# Altium PCB pycyby.PcbDoc (part 1 of 2) (continued)
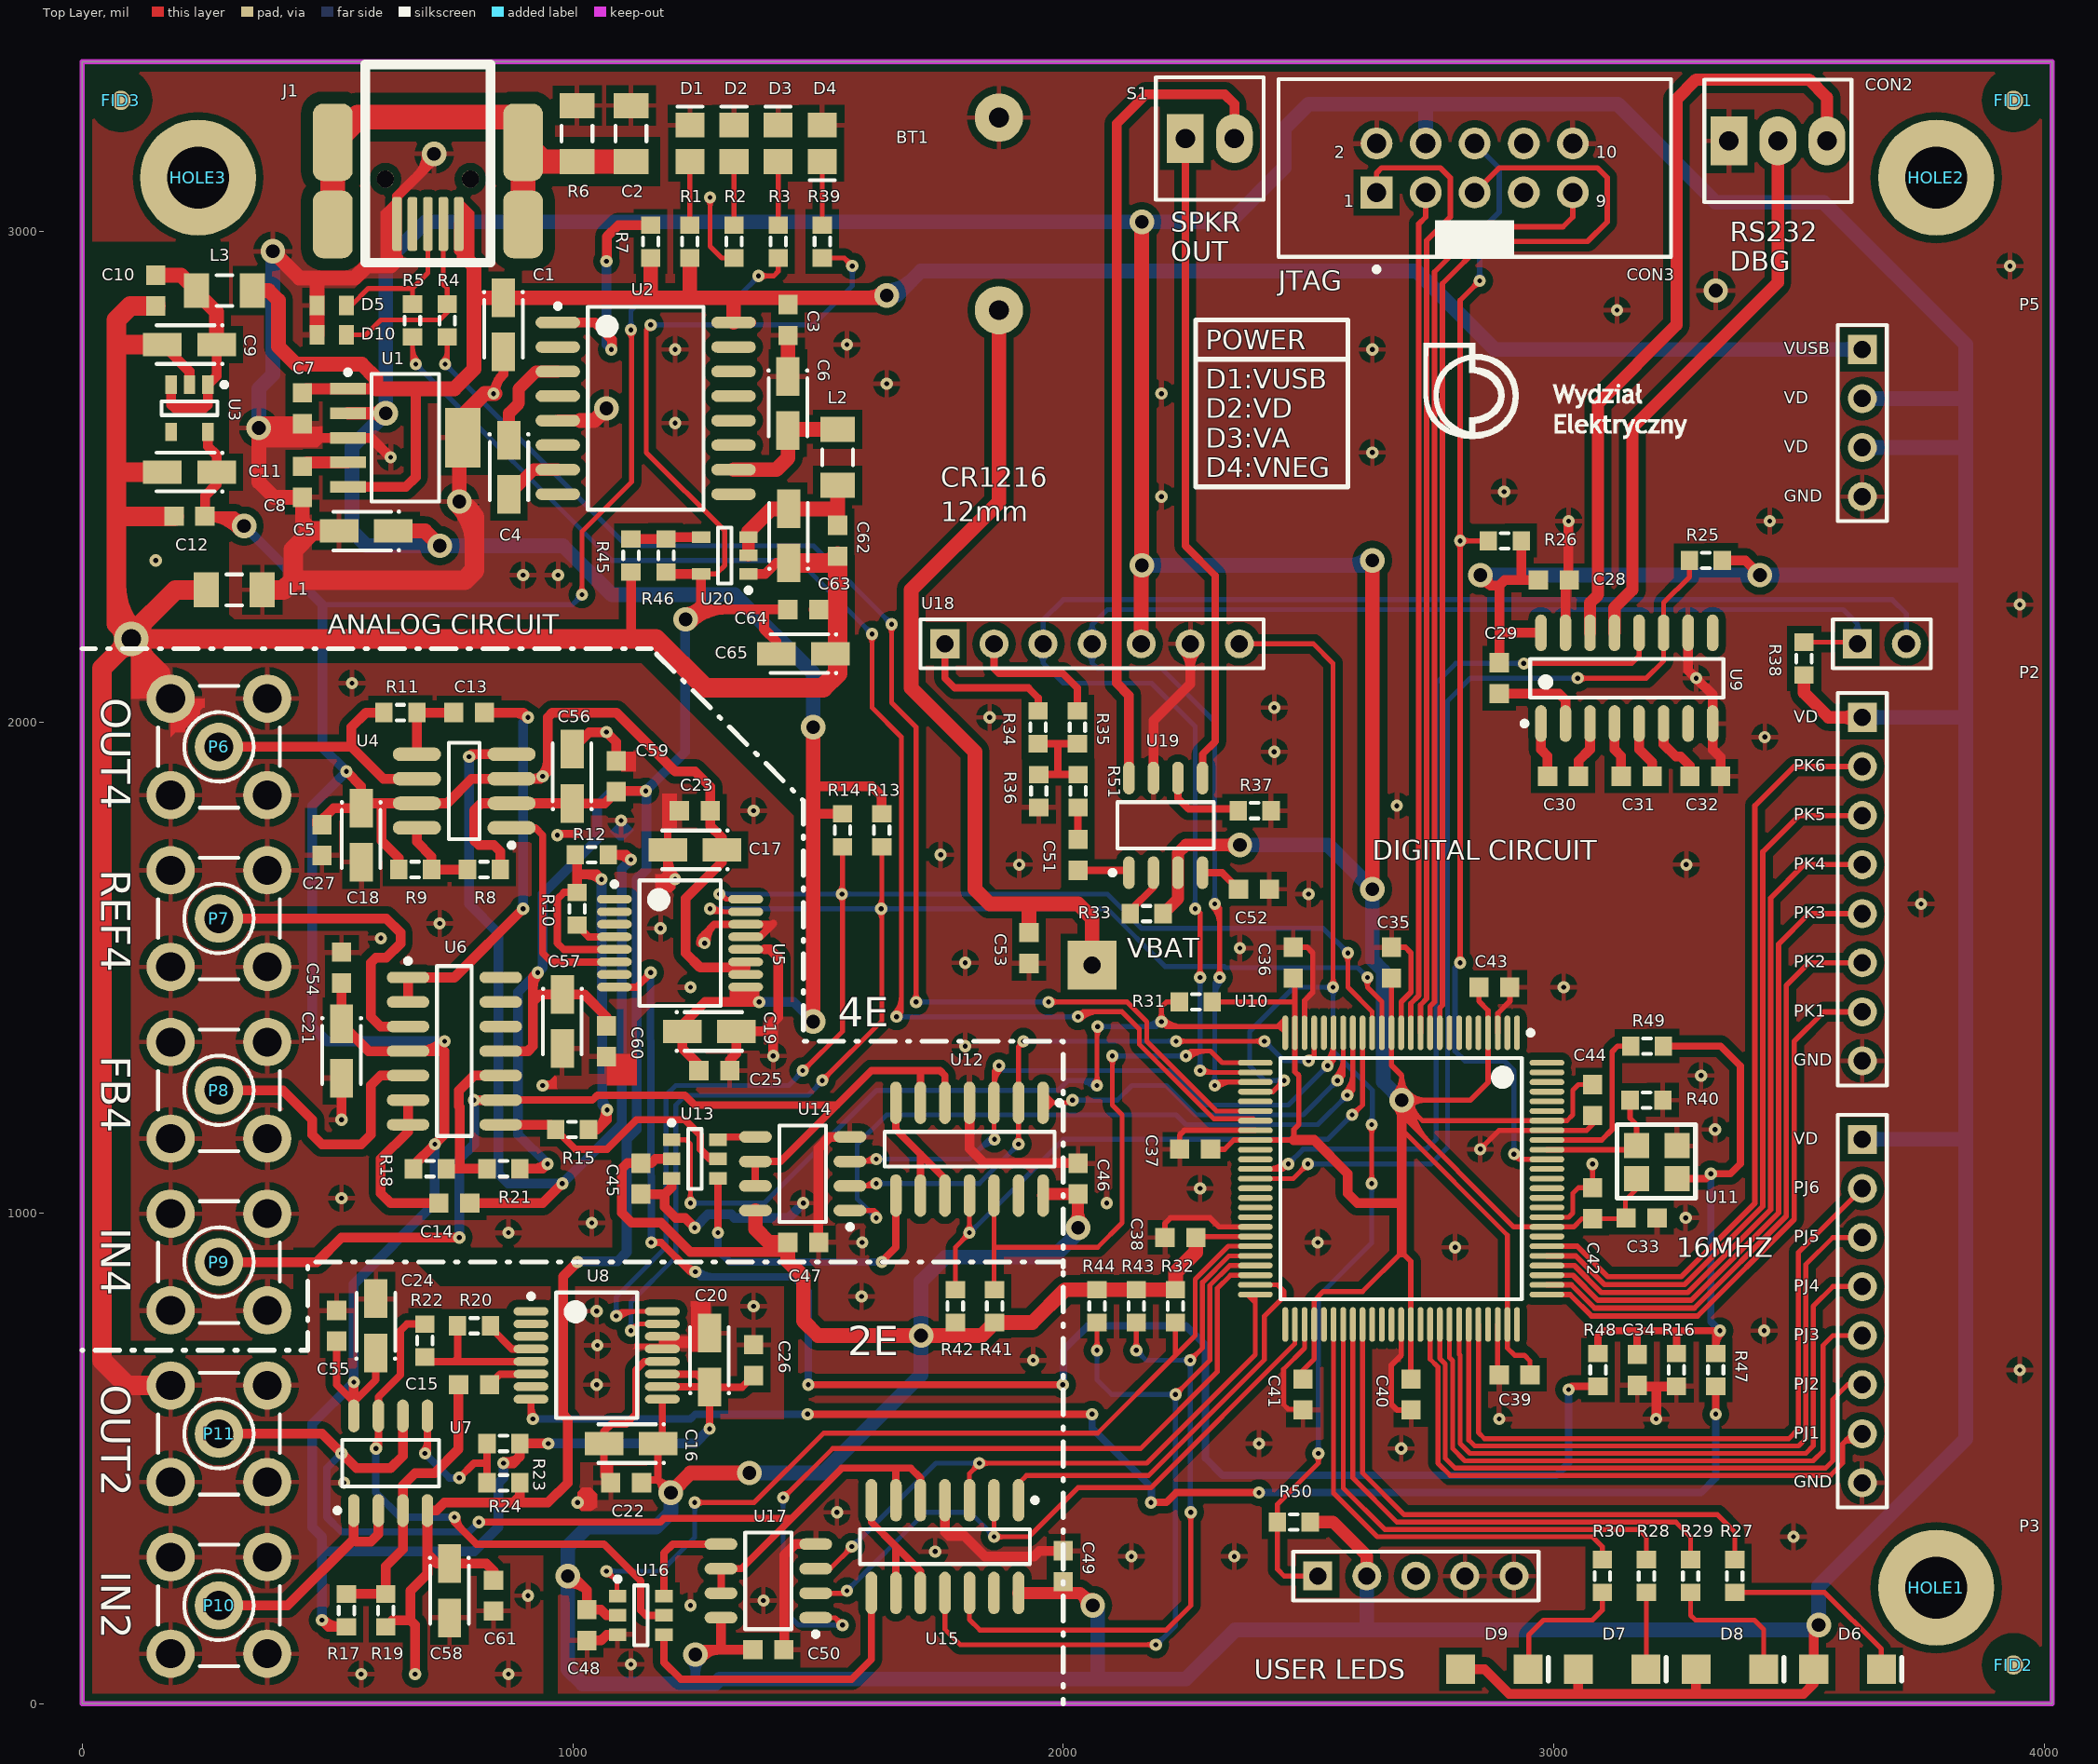
[diagram p0: Top Layer view]
## Footprints (in the part's own frame and the unit in brackets; to place one, negate y for a bottom-side part, rotate by r counter-clockwise, add the part's x,y. Pads: shape width x height; smd on the part's side, far side on the other; paste and mask are expansions set on the pad) (continued)
SMDA [mm] "Capacitor, SM Tantalum; Body 3.2 x 1.6 mm (LxW typ)"
  rect 2x1.2 smd: 1(-1.4,0) 2(1.4,0)
  silkscreen extent -1.71,-1.01 1.7,1.01, body extent -2.4,-0.9 2.4,0.9, height 1.8
SO-8_M [mm] "8-Pin Small Outline Integrated Circuit 1.27 mm Pitch, IPC Low Density"
  oval 2.5x0.7 smd: 1(-2.45,1.905) 2(-2.45,0.635) 3(-2.45,-0.635) 4(-2.45,-1.905) 5(2.45,-1.905) 6(2.45,-0.635) 7(2.45,0.635) 8(2.45,1.905)
  silkscreen extent -2.58,-2.5 0.8,2.93, body extent -3.18,-2.5 3.16,2.5, height 1.88
SOIC127P600-8AL [mm] "SOIC, 8-Leads, Body 4.9x3.9mm, Pitch 1.27mm, IPC High Density"
  oval 1.7x0.6 smd: 1(-2.45,1.905) 2(-2.45,0.635) 3(-2.45,-0.635) 4(-2.45,-1.905) 5(2.45,-1.905) 6(2.45,-0.635) 7(2.45,0.635) 8(2.45,1.905)
  silkscreen extent -2.57,-2.5 1.2,2.88, body extent -3.02,-2.44 2.98,2.46, height 1.75
SOIC-OE16_moje [mm] "SOIC, 16-Leads, Body 10.3x7.5mm, Pitch 1.27mm, IPC Medium Density"
  oval 2.3x0.6 smd: 1(-4.55,4.445) 2(-4.55,3.175) 3(-4.55,1.905) 4(-4.55,0.635) 5(-4.55,-0.635) 6(-4.55,-1.905) 7(-4.55,-3.175) 8(-4.55,-4.445) 9(4.55,-4.445) 10(4.55,-3.175) 11(4.55,-1.905) 12(4.55,-0.635) 13(4.55,0.635) 14(4.55,1.905) 15(4.55,3.175) 16(4.55,4.445)
  silkscreen extent -4.67,-5.25 3,5.42, body extent -5.15,-5.1 5.15,5.1, height 3.5
SOT95P280X100-5N [mm] "SOT23, 5-Leads, Body 2,90x2,80mm, Pitch 0,95mm, IPC Medium Density"
  rect 0.95x0.6 smd: 1(-1.225,0.95) 2(-1.225,0) 3(-1.225,-0.95) 4(1.225,-0.95) 5(1.225,0.95)
  silkscreen extent -1.35,-1.45 0.35,1.93, body extent -1.4,-1.45 1.4,1.45, height 1.45
SOT100P275-6L [mm] "SOT23, 6-Leads, Body 3x1.5mm, Pitch 1mm, Lead Span 2.7mm, IPC High Density"
  rect 0.9x0.65 smd: 1(-1.2,1) 2(-1.2,0) 3(-1.2,-1) 4(1.2,-1) 5(1.2,0) 6(1.2,1)
  silkscreen extent -1.32,-1.55 0.35,2, body extent -1.4,-1.45 1.4,1.45, height 1.45
SURGX-0603 [mil] "Suppressor diode"
  rect 30x40 smd: 1(-30,0) 2(30,0)
  body extent -31,-16 32,16, height 35
TI-D16_L_moje [mm] "SOIC, 16-Leads, Body 9.9x3.9mm, Pitch 1.27mm, IPC High Density"
  oval 1.9x0.6 smd: 1(-2.35,4.445) 2(-2.35,3.175) 3(-2.35,1.905) 4(-2.35,0.635) 5(-2.35,-0.635) 6(-2.35,-1.905) 7(-2.35,-3.175) 8(-2.35,-4.445) 9(2.35,-4.445) 10(2.35,-3.175) 11(2.35,-1.905) 12(2.35,-0.635) 13(2.35,0.635) 14(2.35,1.905) 15(2.35,3.175) 16(2.35,4.445)
  silkscreen extent -2.47,-5 1,5.42, body extent -3,-4.95 3,4.95, height 1.4
TI-DCQ6_L [mm] "SOT223, 6-Leads, Body 6.5x3.5mm, Pitch 1.27mm, IPC High Density"
  rect 1.85x0.6 smd: 1(-2.975,2.54) 2(-2.975,1.27) 3(-2.975,0) 4(-2.975,-1.27) 5(-2.975,-2.54)
  rect 1.85x3.1 smd: 6(2.975,0)
  silkscreen extent -3.1,-3.3 1.75,3.51, body extent -3.63,-3.27 3.63,3.28, height 1.8

## Part data
BT1: library part CMP-0438-00001-1, "Lithium Battery Holder for CR2032 3V Cell"
C1: library part "10uF 10V-SMDA", "Polarized Capacitor (Surface Mount)"
C2 C3 C7 C8 C10 C12 C13 C14 C15 C22 C23 C25 C26 C27 C28 C29 C30 C31 C32 C33 C34 C35 C36 C37 C38 C39 C40 C41 C42 C43 C44 C45 C46 C47 C48 C49 C50 C51 C52 C53 C54 C55 C59 C60 C61 C62 C64: library part Capacitor, "Capacitor"
C4 C5 C6 C9 C11 C16 C17 C18 C19 C20 C21 C24 C56 C57 C58 C63 C65: library part "100uF 6.3V-SMDB", "Polarized Capacitor (Surface Mount)"
CON2: "Pith 2.54mm, 3-pin"
CON3: "Header, 5-Pin, Dual row"
D1 D2 D3 D4: library part "Led Green", "Typical GREEN LED"
D5 D10: "ESD Suppressor"
FID1 FID2 FID3: library part "FID ROUND", "round fiducial"
HOLE1 HOLE2 HOLE3: library part "HOLE M3"
J1: library part CMP-0411-00002-1, "USB, MINI, SMD, RA KME04-USBMU03A01"
L1 L2 L3: library part Inductor, "Inductor"
P2 P3: "Header, 8-Pin"
P5: "Header, 4-Pin"
P6 P7 P8 P9 P10 P11: "SMB Straight Connector"
R1 R2 R3 R4 R5 R6 R7 R8 R9 R10 R11 R12 R13 R14 R15 R16 R17 R18 R19 R20 R21 R22 R23 R24 R25 R26 R27 R28 R29 R30 R31 R32 R33 R34 R35 R36 R37 R38 R39 R40 R41 R42 R43 R44 R45 R46 R47 R48 R49 R50 R51: library part Resistor, "Resistor"
U1: library part CMP-0395-00461-1, "Single Output Fast Transient Response LDO, 1 A, Fixed 3.3 V Output, 2.1 to 15 V Input, 6-pin SOT-223 (DCQ), -40 to 85 degC, Green (RoHS & no Sb/Br)"
U2: library part CMP-0132-00038-1, "80mA Charge Pump DC-to-DC Converter, 12kHz, 24kHz, 16-Pin SOIC 300mil, Commercial Temperature"
U5 U8: library part CMP-0293-00046-1, "1 MSPS, 12-Bit Impedance Converter, Network Analyzer, Serial, RS-16, 77 Tube, Pb-Free"
U6: library part CMP-0384-00479-2, "Quad Channel Wide Bandwidth Operational Amplifier, 10 MHz BW, 5 V/us SR, Industrial, 14-pin SOIC (R-14), Tube"
U7: library part CMP-0384-01321-1, "Double Channel Wide Bandwidth Operational Amplifier, 10 MHz BW, 5 V/us SR, Industrial, 8-pin SOIC (R-8), Tube"
U9: "3.0V TO 5.5V, Low-Power, up to 1Mbps, True RS-232 Transceiver Using Four 0.1µF External Capacitor"
U10: library part CMP-0094-00033-2, "8/16-bit AVR XMEGA A1 Microcontroller, 1.6-3.6V, 32MHz, 128KB + 8KB Flash, 2KB EEPROM, 8KB SRAM, 100-pin TQFP, Industrial Grade (-40°C to 85°C), Pb-Free"
U12 U15: library part CMP-0188-00459-2, "Single/Dual Digital Potentiometer with SPI Interface, 14-Pin SOIC 150mil, Industrial Temperature, Tape and Reel"
U14 U17: library part CMP-0188-00466-2, "Single/Dual Digital Potentiometer with SPI Interface, 8-Pin SOIC 150mil, Industrial Temperature, Tape and Reel"
U20: library part CMP-0394-00389-1, "Single Output LDO, 200 mA, Adjustable -10 to -1.2 V Output, -10 to -2.7 V Input, 5-pin SOT-23 (DBV), -40 to 125 degC, Green (RoHS & no Sb/Br)"

## Via types
v1: diameter 25, hole 10, Top Layer to Bottom Layer, 215 vias
v2: diameter 50, hole 28, Top Layer to Bottom Layer, 29 vias
v3: diameter 70, hole 40, Top Layer to Bottom Layer, 1 vias

## Nets (pads, with @x,y where several pads share a name; then routed paths per layer and width w, separated by ;. In a path a pad name is that pad's centre, name@x,y a point inside that pad or via, vN(x,y) a via of type N, cw(c..) or ccw(c..) an arc to the next point about the centre after c; other vN are vias at no path point)
#RESET: CON3.6 R26.1 U10.90 | length 2551.8
  Top Layer w11: v1@2803.79,1514.95 ccw(c2791.84,1526.9) 2808.74,1526.9 ccw(c2825.64,1526.9) v1@2813.69,1514.95 ; v1@2803.79,2365.05 cw(c2791.84,2353.1) 2808.74,2353.1 cw(c2825.64,2353.1) 2813.69,2365.05 cw(c2825.64,2353.1) 2825.64,2370 cw(c2825.64,2386.9) 2813.69,2374.95 cw(c2825.64,2386.9) 2808.74,2386.9 cw(c2791.84,2386.9) v1@2803.79,2374.95 ; v1(2808.74,1510) 2808.74,2360 2808.74,2860 v1(2848.74,2900) ; v1(2808.74,2370) R26.1@2866.54,2370 ; v1@2841.74,2900 cw(c2824.84,2900) 2836.79,2888.05 cw(c2848.74,2876.1) v1@2848.74,2893 ; v1(2918.74,1120) 2929.37,1109.37 ; v1@2919.34,1113.03 cw(c2920.43,1100.43) 2929.37,1109.37 ; v1@2925.71,1119.4 ccw(c2938.31,1118.31) 2929.37,1109.37 ; U10.90@2985.98,1109.37 2929.37,1109.37
  Bottom Layer w11: v1(2808.74,1510) 2798.74,1500 2798.74,1330 2818.74,1310 2898.74,1310 2918.74,1290 v1(2918.74,1120) ; CON3.6@2838.58,3179.92 2888.74,3129.76 2888.74,3040 2848.74,3000 v1(2848.74,2900) ; v1@2843.79,2904.95 ccw(c2831.84,2916.9) 2848.74,2916.9 ccw(c2865.64,2916.9) v1@2853.69,2904.95 ; v1@2913.79,1124.95 ccw(c2901.84,1136.9) 2918.74,1136.9 ccw(c2935.64,1136.9) v1@2923.69,1124.95
#RST0: R44.1 U10.47 U15.11 | length 1949.1
  Top Layer w10: U15.11@1758.74,225.51 1758.74,151.26 1790,120 v1(2188.74,120) ; v1(2068.74,720) R44.1@2068.74,776.54 ; v1@2183.44,114.7 ccw(c2170.63,101.89) 2170.63,120 ccw(c2170.63,138.11) v1@2183.44,125.3 ; v1(2228.74,630) 2298.74,700 2298.74,852.43 2339.15,892.83 U10.47@2391.5,892.83 ; v1@2228.74,637.5 ccw(c2228.74,655.61) 2241.54,642.8 ccw(c2254.35,630) v1@2236.24,630 ; 2068.74,738.11 ccw(c2086.85,738.11) 2074.04,725.3 cw(c2086.85,738.11) 2068.74,738.11 ; 2068.74,738.11 cw(c2050.63,738.11) 2063.44,725.3 ccw(c2050.63,738.11) 2068.74,738.11
  Bottom Layer w10: v1(2068.74,720) 2068.74,660 2098.74,630 v1(2228.74,630) 2228.74,158.74 v1@2190,120 ; v1@2188.74,127.5 ccw(c2188.74,148.65) 2203.69,133.69 ; v1@2196.24,120 cw(c2211.31,120) 2200.65,130.65 ; v1@2223.44,635.3 cw(c2210.63,648.11) 2210.63,630 cw(c2210.63,611.89) 2223.44,624.7 cw(c2210.63,611.89) 2228.74,611.89 cw(c2246.85,611.89) v1@2234.04,624.7 ; 2068.74,701.89 ccw(c2050.63,701.89) 2063.44,714.7 cw(c2050.63,701.89) 2068.74,701.89 ; 2068.74,701.89 cw(c2086.85,701.89) 2074.04,714.7 ccw(c2086.85,701.89) 2068.74,701.89
#RST1: R42.1 U10.17 U12.11 | length 1399.8
  Top Layer w10: R42.1@1780,843.46 1780,930 1808.74,958.74 U12.11@1808.74,1035.51 ; 1795.05,945.05 ccw(c1780.09,960) v1@1801.24,960 ; 1798.09,948.09 cw(c1808.74,937.43) v1@1808.74,952.5 ; v1@1803.44,965.3 ccw(c1790.63,978.11) 1808.74,978.11 ccw(c1826.85,978.11) v1@1814.04,965.3 ; v1@2588.74,1207.5 ccw(c2588.74,1228.65) 2603.69,1213.69 ; v1@2590,1200 2610,1220 U10.17@2610,1367.24 ; v1@2596.24,1200 cw(c2611.31,1200) 2600.65,1210.65
  Bottom Layer w10: v1@1808.74,967.5 ccw(c1808.74,988.65) 1823.69,973.69 ; v1@1810,960 2000,1150 2538.74,1150 v1(2588.74,1200) ; v1@1816.24,960 cw(c1831.31,960) 1820.65,970.65 ; v1@2581.24,1200 cw(c2563.13,1200) 2575.94,1187.2 cw(c2588.74,1174.39) v1@2588.74,1192.5
  other v1: 1808.74,960
#SHDN0: R43.1 U10.46 U15.12 | length 1708
  Top Layer w10: U15.12@1808.74,225.51 1808.74,171.26 1830,150 2210,150 2260,200 v1(2260,390) ; v1@2143.44,725.3 ccw(c2130.63,738.11) 2148.74,738.11 ccw(c2166.85,738.11) v1@2154.04,725.3 ; v1(2148.74,720) R43.1@2148.74,776.54 ; v1@2254.7,384.7 cw(c2241.89,371.89) 2260,371.89 cw(c2278.11,371.89) v1@2265.3,384.7 ; v1(2258.74,700) 2283.74,725 2283.74,858.64 2337.62,912.52 U10.46@2391.5,912.52 ; v1@2258.74,707.5 ccw(c2258.74,725.61) 2271.54,712.8 ccw(c2284.35,700) v1@2266.24,700
  Bottom Layer w10: v1@2148.74,712.5 cw(c2148.74,694.39) 2161.54,707.2 cw(c2174.35,720) v1@2156.24,720 ; v1(2148.74,720) 2168.74,700 v1(2258.74,700) v1@2258.74,390 ; v1@2253.44,705.3 cw(c2240.63,718.11) 2240.63,700 cw(c2240.63,681.89) 2253.44,694.7 cw(c2240.63,681.89) 2258.74,681.89 cw(c2276.85,681.89) v1@2264.04,694.7 ; v1@2254.7,395.3 ccw(c2244.93,405.07) 2258.74,405.07 ; 2258.74,411.15 ccw(c2281.15,411.15) v1@2265.3,395.3
#SHDN1: R41.1 U10.26 U12.12 | length 1295.4
  Top Layer w10: U12.12@1858.74,1035.51 1858.74,930 ; R41.1@1860,843.46 1858.74,844.72 1858.74,930 ; v1@2094.7,1314.7 cw(c2081.89,1301.89) 2100,1301.89 cw(c2118.11,1301.89) v1@2105.3,1314.7 ; v1(2100,1320) 2100,1220 2120,1200 2120,980 2070,930 1858.74,930 ; v1@2248.23,1321.77 cw(c2268.11,1301.89) 2268.11,1330 ; v1(2250,1320) 2260,1330 ; v1@2251.42,1327.37 ccw(c2253.22,1336.78) 2260,1330 ; v1@2255.3,1314.7 cw(c2292.25,1277.75) 2292.25,1330 ; v1@2257.37,1321.42 cw(c2266.77,1323.22) 2260,1330 ; U10.26@2391.5,1306.22 2323.78,1306.22 2300,1330 2260,1330
  Bottom Layer w10: v1(2100,1320) v1(2250,1320) ; v1@2105.3,1314.7 cw(c2118.11,1301.89) 2118.11,1320 cw(c2118.11,1338.11) v1@2105.3,1325.3 ; v1@2244.7,1314.7 ccw(c2231.89,1301.89) 2231.89,1320 ccw(c2231.89,1338.11) v1@2244.7,1325.3
#SS00: U10.49 U15.1 | length 859.5
  Top Layer w10: U15.1@1908.74,414.49 1908.74,448.74 1925,465 2173.74,465 2410,701.26 2410,790 2450,830 2450,840 2436.54,853.46 U10.49@2391.5,853.46
#SS01: U10.19 U12.1 | length 923
  Top Layer w10: U12.1@1958.74,1224.49 2014.49,1224.49 v1@2020,1230 ; v1@2553.44,1275.3 ccw(c2511.93,1316.81) 2570.63,1316.81 ; v1@2560,1270 2570,1280 ; v1@2560.51,1268.23 ccw(c2536.07,1292.67) 2570.63,1292.67 ; v1@2560.47,1277.3 ccw(c2562.81,1287.18) 2570,1280 ; v1@2566.23,1270.32 cw(c2579.12,1270.88) 2570,1280 ; U10.19@2570.63,1367.24 2570.63,1280 2570,1280
  Bottom Layer w10: v1(2018.74,1230) 2110,1230 2140,1260 2210,1260 2270,1200 2488.74,1200 v1(2558.74,1270) ; v1@2024.04,1224.7 cw(c2036.85,1211.89) 2036.85,1230 cw(c2036.85,1248.11) v1@2024.04,1235.3 ; v1@2551.24,1270 cw(c2533.13,1270) 2545.94,1257.2 cw(c2558.74,1244.39) v1@2558.74,1262.5
#SS10: U10.48 U17.1 | length 1786.5
  Top Layer w10: v1@1428.74,427.5 ccw(c1428.74,448.65) 1443.69,433.69 ; v1@1430,420 1530,520 2157.53,520 2313.74,676.21 2313.74,846.21 2340.68,873.15 U10.48@2391.5,873.15 ; v1@1436.24,420 cw(c1451.31,420) 1440.65,430.65 ; U17.1@1495.2,175 1535,175 v1(1550,160) ; v1@1542.5,160 ccw(c1524.39,160) 1537.2,172.8 ccw(c1550,185.61) v1@1550,167.5
  Bottom Layer w10: v1@1423.44,414.7 cw(c1410.63,401.89) 1428.74,401.89 cw(c1446.85,401.89) v1@1434.04,414.7 ; v1(1428.74,420) 1428.74,191.26 1460,160 v1(1550,160) ; v1@1544.7,154.7 ccw(c1531.89,141.89) 1531.89,160 ccw(c1531.89,178.11) v1@1544.7,165.3
#SS11: U10.18 U14.1 | length 1571.7
  Top Layer w10: U14.1@1565.2,1005 1615,1005 1620,1000 v1@1620,990 ; v1@2573.44,1245.3 ccw(c2532.69,1286.05) 2590.31,1286.05 ; v1@2580,1240 2590.31,1250.32 ; v1@2580.29,1247.34 ccw(c2582.56,1258.07) 2590.31,1250.31 ; v1@2580.51,1238.23 ccw(c2556.83,1261.91) 2590.31,1261.91 ; v1@2586.24,1240.16 cw(c2600.16,1240.47) 2590.31,1250.31 ; U10.18@2590.31,1367.24 2590.31,1250.32
  Bottom Layer w10: v1@1611.24,990 ccw(c1593.13,990) 1605.94,1002.8 ccw(c1618.74,1015.61) v1@1618.74,997.5 ; v1(1618.74,990) 1580,1028.74 1580,1140 1640,1200 2230,1200 2250,1180 2518.74,1180 v1(2578.74,1240) ; v1@2571.24,1240 cw(c2553.13,1240) 2565.94,1227.2 cw(c2578.74,1214.39) v1@2578.74,1232.5
AGND: C9.2 C10.1 C11.2 C12.1 C17.2 C18.2 C20.2 C21.2 C23.1 C24.2 C26.1 C27.1 C54.1 C55.1 C56.2 C57.2 C58.2 C59.1 C60.1 C61.1 C62.2 C63.1 C64.2 C65.1 L1.2 P6.2 P7.2 P8.2 P9.2 P10.2 P11.2 R45.1 U3.2 U5.13 U5.14 U8.13 U8.14 U20.1 | length 6421.8
  Top Layer w15: U8.13@1182.6,722.8 U8.14@1182.6,748.39 ; C17.2@1193.62,1740 1193.62,1796.38 C23.1@1217.24,1820 ; v1@1258.75,1549.48 cw(c1278.57,1550.51) 1264.54,1564.54 ; v1(1268.74,1550) 1268.74,1568.74 1288.39,1588.39 ; v1@1273.73,1550.26 cw(c1323.92,1552.85) 1288.38,1588.38 ; U5.13@1352.6,1562.8 1381.54,1562.8 1407.13,1588.39 ; 1408.74,1590 1407.13,1588.39 ; 1288.39,1588.39 U5.14@1352.6,1588.39 1407.13,1588.39
  Top Layer w20: C9.2@163.62,2770 218.74,2714.88 U3.2@218.74,2688.23 ; v1(528.74,1190) C21.2@528.74,1274.88 ; C56.2@998.74,1945.12 1033.62,1980 v1(1068.74,1980) 1088.74,1960 C59.1@1088.74,1921.5 ; R45.1@1118.74,2306.54 1118.74,2172.52 1120,2171.26 ; C17.2@1193.62,1722.53 ccw(c1251.27,1722.53) v1@1210.51,1681.77 ; C17.2@1193.62,1740 1193.62,1695.12 v1(1208.74,1680) ; U20.1@1358.23,2302.6 1392.6,2302.6 1414.88,2324.88 C63.1@1440,2324.88
  Top Layer w40: 70,2278.64 ccw(c208.64,2278.64) 110.61,2180.61 ccw(c136.21,2206.21) 136.21,2170 ccw(c136.21,2133.79) v3@110.61,2159.39 ; v3@100,2155 ccw(c100,2118.79) 74.39,2144.39 ccw(c48.79,2170) 85,2170 ccw(c48.79,2170) 74.39,2195.61 ccw(c100,2221.21) v3@100,2185 ; 132.68,2127.32 cw(c175.36,2170) 115,2170 cw(c175.36,2170) 132.68,2212.68 ; C10.1@150,2848.5 98.5,2848.5 70,2820 70,2770 ; C11.2@163.62,2510 70,2510 ; C9.2@163.62,2770 70,2770 ; P11.2@180.32,648.43 91.57,648.43 40,700 40,2110 v3(100,2170) ; P6.2@180.32,2048.43 160,2068.74 160,2100 100,2160 v3(100,2170) ; C12.1@187.24,2420 70,2420 ; L1.2@252.91,2270 190,2270 100,2180 v3(100,2170) ; C63.1@1440,2324.88 1526.38,2324.88 C62.2@1540,2338.5 1540,2230 ; C64.2@1501.5,2230 1540,2230 ; C65.1@1525.12,2140 C65.1@1540,2140 ; 70,2420 70,2510 ; 70,2420 70,2200 v3(100,2170) ; 70,2510 70,2770 ; v3(100,2170) 1170,2170 1270,2070 1510,2070 1540,2100 C65.1@1540,2140 ; C65.1@1540,2140 1540,2230
  other v1: 568.74,60 868.74,60 908.74,220 533.74,450 1048.74,650 1050,730 1048.74,800 1368.74,810 868.74,960 1038.74,980 528.74,1030 938.74,1260 1240,1460 608.74,1560 1178.74,1580 728.74,1590 968.74,1770 1098.74,1800 1368.74,1820 550,2080
CLK: C34.2 R16.1 R47.2 R48.2 R49.1 U11.3 | length 1320.7
  Top Layer w15: R48.2@3090,713.46 3090,750 3100,760 3170,760 ; C34.2@3170,711.5 3170,760 ; R49.1@3223.46,1340 3340,1340 3380,1300 3380,1100 3360,1080 v1(3320,1080) 3310,1070 U11.3@3251.42,1070 ; R16.1@3250,713.46 3250,760 ; R47.2@3330,713.46 3330,750 ; R47.2@3330,726.83 cw(c3371.91,726.83) v1@3342.28,756.46 ; v1@3333.75,759.74 cw(c3320.92,759.09) 3330,750 ; v1(3338.74,760) 3250,760 ; v1@3340,760 3330,750 ; 3170,760 3250,760
  Bottom Layer w15: v1(3320,1080) 3320,778.74 v1(3338.74,760)
CLK_AD2: R47.1 U8.8 | length 2815.4
  Top Layer w10: v1@914.88,585.12 v1@920,580
  Top Layer w15: v1@914.88,585.12 U8.8@914.88,620.43 ; 914.88,601.39 ccw(c940.13,601.39) v1@922.28,583.54 ; v1(1478.74,590) v1(2058.74,590) v1@2060,590 ; v1(2178.74,410) 2210,410 2230,430 v1(2398.74,430) v1@2400,430 ; v1(3330,590) R47.1@3330,646.54
  Bottom Layer w10: v1(918.74,580) v1@921.24,582.5
  Bottom Layer w15: v1(918.74,580) 1240,580 1250,590 v1(1478.74,590) v1@1480,590 ; v1(2058.74,590) 2058.74,561.26 2180,440 v1@2180,410 ; v1@2175.2,413.54 ccw(c2163.63,425.11) 2180,425.11 ; v1(2398.74,430) 3300,430 3330,460 v1(3330,590)
CLK_AD4: R48.1 U5.8 | length 3400.9
  Top Layer w15: U5.8@1084.88,1460.43 1130.43,1460.43 v1@1159.37,1489.37 ; 1149.31,1479.31 ccw(c1138.63,1490) v1@1153.74,1490 ; v1(1160,940) 1180,940 1240,880 v1(1250,880) ; 1224.39,895.61 ccw(c1250,921.21) v1@1250,885 ; v1(1480,650) v1(1998.74,650) ; v1(3030,640) 3036.54,646.54 R48.1@3090,646.54
  Bottom Layer w15: v1(1158.74,1490) v1(1160,940) ; v1(1250,880) 1260,870 1450,870 1480,840 v1(1480,650) ; v1@1253.54,883.54 ccw(c1286.21,916.21) 1286.21,870 ; v1@1995.2,653.54 ccw(c1983.63,665.11) 2000,665.11 ; v1@2000,650 2000,720 2050,770 2250,770 2290,730 2290,500 2325,465 3005,465 3030,490 v1(3030,640)
COM0: R22.1 U7.7 U16.5 | length 1189.4
  Top Layer w15: v1@595.2,523.54 ccw(c574.6,544.14) 603.74,544.14 ; v1(598.74,520) 603.74,525 U7.7@603.74,586.46 603.74,625 648.74,670 648.74,760 662.2,773.46 R22.1@698.74,773.46 ; v1(758.74,380) 758.74,370 803.74,325 1063.74,325 1138.74,250 1138.74,190 1148.74,180 U16.5@1185.98,180 ; v1@763.74,380 ccw(c799.95,380) 774.35,354.39
  Bottom Layer w15: v1(598.74,520) 598.74,430 648.74,380 v1(758.74,380)
COM1: R15.1 U6.8 U13.5 | length 538.3
  Top Layer w15: R15.1@965.28,1170 1005.28,1130 1070,1130 1130,1190 1228.74,1190 1260,1158.74 1260,1130 1280,1110 U13.5@1295.98,1110
  Top Layer w20: U6.8@853.23,1180 955.28,1180 R15.1@965.28,1170
DBG_RX: U9.12 U10.37 | length 1977.5
  Top Layer w10: U10.37@2391.5,1089.68 2448.43,1089.68 ; U10.37@2415.73,1089.68 ccw(c2415.73,1143.01) v1@2453.44,1105.3 ; 2439.87,1089.68 ccw(c2439.87,1118.87) v1@2460.51,1098.23 ; v1@2451.34,1098.77 cw(c2441.05,1097.06) 2448.43,1089.69 ; v1@2457.51,1092.6 ccw(c2455.8,1082.31) 2448.43,1089.69 ; v1(2458.74,1100) 2448.43,1089.68 ; v1(2938.74,2120) 3158.74,2120 3173.74,2135 U9.12@3173.74,2182.52 ; v1@2944.04,2114.7 cw(c2956.85,2101.89) 2956.85,2120 cw(c2956.85,2138.11) v1@2944.04,2125.3
  Bottom Layer w10: v1(2458.74,1100) 2488.74,1130 2740,1130 2760,1150 2760,2080 2800,2120 v1(2938.74,2120) ; v1@2458.74,1107.5 ccw(c2458.74,1125.61) 2471.54,1112.8 ccw(c2484.35,1100) v1@2466.24,1100 ; v1@2933.44,2114.7 ccw(c2920.63,2101.89) 2920.63,2120 ccw(c2920.63,2138.11) v1@2933.44,2125.3
DBG_TX: R25.1 U9.11 U10.38 | length 2142.9
  Top Layer w10: U10.38@2391.5,1070 2468.74,1070 v1(2498.74,1100) ; v1@2491.24,1100 cw(c2473.13,1100) 2485.94,1087.2 cw(c2498.74,1074.39) v1@2498.74,1092.5 ; v1(3048.74,2090) 3188.74,2090 3223.74,2125 U9.11@3223.74,2182.52 3223.74,2243.74 3276.54,2296.54 R25.1@3276.54,2330 ; v1@3054.04,2084.7 cw(c3066.85,2071.89) 3066.85,2090 cw(c3066.85,2108.11) v1@3054.04,2095.3
  Bottom Layer w10: v1(2498.74,1100) 2750,1100 2783.24,1133.24 2783.24,2043.24 2830,2090 v1(3048.74,2090) ; v1@2504.04,1094.7 cw(c2516.85,1081.89) 2516.85,1100 cw(c2516.85,1118.11) v1@2504.04,1105.3 ; v1@3043.44,2084.7 ccw(c3030.63,2071.89) 3030.63,2090 ccw(c3030.63,2108.11) v1@3043.44,2095.3
GND: BT1.2 C1.2 C2.1 C3.1 C5.2 C6.1 C7.1 C8.1 C16.2 C19.2 C22.1 C25.1 C28.1 C32.1 C33.1 C34.1 C35.1 C36.1 C37.1 C38.1 C39.1 C40.1 C41.1 C42.1 C43.1 C44.1 C45.1 C46.1 C47.1 C48.1 C49.1 C50.1 C52.2 C53.1 CON2.1 CON3.2 CON3.10 D1.2 D2.2 D3.2 D4.1 D5.1 D10.1 J1.5 L1.1 P2.8 P3.8 P5.4 R6.1 R16.2 R36.2 R37.1 R40.1 U1.3 U1.6 U2.5 U5.12 U8.12 U9.8 U9.10 U9.15 U10.3 U10.13 U10.23 U10.33 U10.43 U10.53 U10.63 U10.73 U10.84 U10.93 U11.2 U12.4 U13.3 U14.4 U15.4 U16.3 U17.4 U18.6 U18.11 U18.12 U19.7 | length 8742.8
  Top Layer w10: C41.1@2488.74,598.5 2487.24,600 2458.74,600 2448.74,610 2448.74,681.21 2491.89,724.36 U10.53@2491.89,772.76 ; v1(2850,1130) 2888.43,1168.43 U10.93@2985.98,1168.43 3067.17,1168.43 3078.74,1180 C44.1@3078.74,1198.5 ; v1@2850,1137.5 ccw(c2850,1155.61) 2862.8,1142.8 ccw(c2875.61,1130) v1@2857.5,1130 ; U10.73@2885.59,772.76 2885.59,672.91 C39.1@2888.5,670 ; U10.84@2985.98,991.26 3030,991.26 3038.74,1000 3038.74,1040 3050.24,1051.5 C42.1@3078.74,1051.5 v1(3078.74,1100) ; v1@3073.44,1094.7 cw(c3060.63,1081.89) 3078.74,1081.89 cw(c3096.85,1081.89) v1@3084.04,1094.7
  Top Layer w11: C38.1@2207.24,950 2207.24,978.5 2218.74,990 2298.74,990 2317.17,971.57 U10.43@2391.5,971.57 ; C37.1@2237.24,1130 2237.24,1158.5 2247.17,1168.43 U10.33@2391.5,1168.43 ; C36.1@2468.74,1541.5 2497.24,1541.5 2508.74,1530 2508.74,1450 2491.89,1433.15 U10.23@2491.89,1367.24 ; C35.1@2668.74,1541.5 2697.24,1541.5 2708.74,1530 2708.74,1450 2688.74,1430 U10.13@2688.74,1367.24 ; U10.63@2688.74,772.76 2688.74,710 2668.74,690 2668.74,610 2680.24,598.5 C40.1@2708.74,598.5 ; U10.3@2885.59,1367.24 2885.59,1406.85 2910.24,1431.5 C43.1@2910.24,1460 ; R40.1@3220.24,1231.97 R40.1@3222.2,1230
  Top Layer w15: C22.1@1077.24,450 1063.62,463.62 C16.2@1063.62,530 1063.62,554.88 1078.74,570 1108.74,570 1128.74,590 1128.74,680 1145.94,697.2 U8.12@1182.6,697.2 ; U5.12@1352.6,1537.2 1391.54,1537.2
  Top Layer w20: C7.1@448.74,2608.5 477.24,2580 U1.3@541.61,2580 588.74,2580 v1(628.74,2540) ; 641.73,2942.99 J1.5@641.73,3015.75 641.73,3071.79 717.27,3147.32 v2(717.27,3158.53) ; 683.74,3113.79 ccw(c639,3158.53) v2@702.27,3158.53 ; v1@841.24,2670 cw(c895.56,2670) 857.15,2708.41 ; 858.74,2710 C1.2@858.74,2754.88 ; C48.1@1028.74,128.5 1057.24,128.5 1069.37,140.63 U16.3@1091.5,140.63 ; C45.1@1138.74,1038.5 1187.24,1038.5 ; U13.3@1201.5,1070.63 1201.5,1052.76 1187.24,1038.5 ; v1(1248.74,970) 1228.74,990 1210,990 1187.24,1012.76 1187.24,1038.5 ; C25.1@1320.24,1290 1320.24,1311.5 1333.86,1325.12 C19.2@1333.86,1370 1390,1370 1408.74,1388.74 ; 1391.54,1537.2 1401.54,1537.2 1418.74,1520 1418.74,1398.74 1408.74,1388.74 ; v1(1408.74,1320) 1408.74,1388.74 ; C50.1@1430.24,110 1431.24,111 1431.24,302.5 1453.74,325 U17.4@1495.2,325 ; C47.1@1501.5,940 1500.24,941.26 1500.24,1131.5 1523.74,1155 U14.4@1565.2,1155 ; U15.4@1758.74,414.49 1758.74,350 1767.24,341.5 1798.5,341.5 1840,300 1940,300 1951.5,311.5 C49.1@2000,311.5 ; U12.4@1808.74,1224.49 1808.74,1131.26 1838.5,1101.5 C46.1@2030,1101.5 ; U19.7@2183.74,1886.46 2183.74,2003.74 2258.74,2078.74 U18.6@2258.74,2160 ; U18.6@2244.93,2146.19 cw(c2211.6,2112.86) 2258.74,2112.86 cw(c2305.88,2112.86) U18.6@2272.55,2146.19 ; U9.15@3023.74,2182.52 3023.74,2282.24 C28.1@3031.5,2290 3030,2291.5 v1(3030,2410) ; C34.1@3170,648.5 3171.97,646.54 3210.98,646.54 ; v1(3208.74,580) 3208.74,644.29 3210.98,646.54 ; R16.2@3250,646.54 3210.98,646.54 ; U9.10@3273.74,2182.52 3273.74,2106.26 v1(3290,2090) 3323.74,2056.26 U9.8@3323.74,1997.48 3323.74,1945 3340.24,1928.5 C32.1@3340.24,1890
  Top Layer w25: U2.5@969.61,2615 1015,2615
  Top Layer w30: v2@367.07,2592.93 cw(c404.67,2555.33) 404.67,2608.5 ; v2(388.74,2960) 442.88,2905.87 478.74,2905.87 ; C7.1@448.74,2608.5 368.5,2608.5 v2(360,2600) 360,2490 391.5,2458.5 C8.1@448.74,2458.5 448.74,2410 468.74,2390 ; D10.1@478.74,2790 D5.1@478.74,2850 478.74,2905.87 ; 641.73,2942.99 628.74,2930 580.06,2930 555.93,2905.87 478.74,2905.87 ; v2(768.74,2450) 768.74,2572.87 U1.6@775.87,2580 775.87,2625.87 820,2670 v1@841.24,2670 ; 1015,2615 1043.74,2615 v2(1068.74,2640) ; C6.1@1438.74,2705.12 C3.1@1438.74,2788.5
  Top Layer w40: L1.1@367.09,2270 410,2270 430,2290 ; C5.2@523.62,2390 468.74,2390 430,2351.26 430,2290 ; v2@765.2,2446.46 cw(c681.2,2362.46) 800,2362.46 ; v2@767.76,2445.1 cw(c759.92,2405.79) 800,2405.79 ; v2(768.74,2450) 800,2418.74 800,2310 780,2290 430,2290
  Bottom Layer w20: v1@1250,970 v1(1248.74,970) 1275.74,997 1323,997 1330,990 1440,990 v1(1470,1020)
  Bottom Layer w30: v2(360,2600) 360,2680 388.74,2708.74 v2(388.74,2960)
  other v1: 1118.74,80 1240,200 1388.74,210 2138.74,300 2348.74,300 1738.74,310 3488.74,340 1538.74,390 1010,410 2688.74,520 2398.74,530 2888.74,580 3950,680 1938.74,700 3428.74,760 1588.74,830 2798.74,930 1590,940 2518.74,940 3268.74,990 2088.74,1020 2278.74,1050 3328.74,1170 3300,1280 1800,1340 3020,1460 1800,1510 2360,1540 3748.74,1630 2500,1650 1910,1710 3270,1710 1750,1730 2680,1830 2430,1940 3430,1970 1850,2010 2430,2030 3950,2240 898.74,2300 970,2300 3440,2410 2200,2460 2898.74,2470 2630,2550 1208.74,2610 838.74,2670 2200,2670 1640,2690 1208.74,2760 2630,2760 1558.74,2770 3128.74,2840 3930,2930
  other v2: 3330,2880
LCD_#RST: R50.2 U10.29 U18.7 U18.8 | length 2995.4
  Top Layer w10: U18.7@2358.74,2160 2510,2160 2550,2120 v1(2550,1460) ; U10.29@2391.5,1247.17 2427.17,1247.17 v1(2450,1270) ; v1@2442.5,1270 cw(c2424.39,1270) 2437.2,1257.2 cw(c2450,1244.39) v1@2450,1262.5 ; v1@2514.7,504.7 cw(c2501.89,491.89) 2520,491.89 cw(c2538.11,491.89) v1@2525.3,504.7 ; U18.8@2518.74,260 2450,260 2436.54,273.46 R50.2@2436.54,370 2436.54,406.54 2520,490 v1(2520,510) ; v1@2544.7,1465.3 ccw(c2531.89,1478.11) 2550,1478.11 ccw(c2568.11,1478.11) v1@2555.3,1465.3 ; v1@2623.44,1065.3 ccw(c2610.63,1078.11) 2628.74,1078.11 ccw(c2646.85,1078.11) v1@2634.04,1065.3 ; v1@2623.44,1174.7 cw(c2610.63,1161.89) 2628.74,1161.89 cw(c2646.85,1161.89) v1@2634.04,1174.7 ; v1(2628.74,1060) v1(2628.74,1180)
  Bottom Layer w10: v1@2444.7,1264.7 ccw(c2431.89,1251.89) 2431.89,1270 ccw(c2431.89,1288.11) v1@2444.7,1275.3 ; v1(2450,1270) 2410,1270 2380,1300 2380,1370 2470,1460 v1(2550,1460) 2550,1330 2630,1250 v1@2630,1180 ; v1@2514.7,515.3 ccw(c2501.89,528.11) 2520,528.11 ccw(c2538.11,528.11) v1@2525.3,515.3 ; v1(2520,510) 2520,830 2628.74,938.74 v1(2628.74,1060) ; v1@2544.7,1465.3 cw(c2531.89,1478.11) 2531.89,1460 cw(c2531.89,1441.89) 2544.7,1454.7 cw(c2531.89,1441.89) 2550,1441.89 cw(c2568.11,1441.89) v1@2555.3,1454.7 ; v1@2623.44,1054.7 cw(c2610.63,1041.89) 2628.74,1041.89 cw(c2646.85,1041.89) v1@2634.04,1054.7 ; v1@2623.44,1185.3 ccw(c2607.59,1201.15) 2630,1201.15 ; 2630,1195.07 ccw(c2643.81,1195.07) v1@2634.04,1185.3
LCD_RX: U10.27 U18.3 U18.14 | length 3315.1
  Top Layer w10: v1@2270,1620 2278.74,1611.26 ; v1@2271.27,1612.94 cw(c2273.68,1606.2) 2278.74,1611.26 ; v1@2273.44,1485.3 ccw(c2260.63,1498.11) 2278.74,1498.11 ccw(c2296.85,1498.11) v1@2284.04,1485.3 ; v1@2276.17,1618.95 ccw(c2285.17,1617.69) 2278.74,1611.26 ; v1(2278.74,1480) 2278.74,1611.26 ; v1@2280,1290 2283.46,1286.54 U10.27@2391.5,1286.54 ; v1@2284.04,1295.3 ccw(c2305.21,1316.47) 2305.21,1286.54
  Bottom Layer w10: U18.3@1948.25,2137.83 cw(c1940.41,2121.26) 1958.74,2121.26 ; U18.3@1969.23,2137.83 ccw(c1977.07,2121.26) 1958.74,2121.26 ; v1@2263.44,1625.3 ccw(c2250.63,1638.11) 2268.74,1638.11 ccw(c2286.85,1638.11) v1@2274.04,1625.3 ; v1(2268.74,1620) 2268.74,1991.26 2180,2080 2000,2080 1958.74,2121.26 ; v1@2273.44,1295.3 ccw(c2260.63,1308.11) 2278.74,1308.11 ccw(c2296.85,1308.11) v1@2284.04,1295.3 ; v1@2273.44,1474.7 cw(c2260.63,1461.89) 2278.74,1461.89 cw(c2296.85,1461.89) v1@2284.04,1474.7 ; v1(2278.74,1290) 2278.74,1478.74 v1@2280,1480 ; U18.14@3718.74,2160 3718.74,2221.26 3690,2250 2000,2250 1958.74,2208.74 U18.3@1958.74,2160 1958.74,2121.26
LCD_TX: R38.1 U10.28 U18.4 U18.13 | length 3352.5
  Top Layer w10: v1@2303.44,1624.7 cw(c2266.49,1587.75) 2318.74,1587.75 ; v1@2306.97,1261.77 cw(c2319.24,1249.5) 2319.24,1266.85 ; v1@2310,1260 2316.85,1266.85 U10.28@2391.5,1266.85 ; v1@2310,1630 2318.74,1621.26 ; v1@2310.51,1631.77 cw(c2290.63,1611.89) 2318.74,1611.89 ; v1@2311.27,1622.94 cw(c2313.68,1616.2) 2318.74,1621.26 ; v1@2313.44,1485.3 ccw(c2300.63,1498.11) 2318.74,1498.11 ccw(c2336.85,1498.11) v1@2324.04,1485.3 ; v1@2314.04,1254.7 cw(c2343.39,1225.36) 2343.39,1266.85 ; v1@2316.17,1628.95 ccw(c2325.17,1627.69) 2318.74,1621.26 ; v1(2318.74,1480) 2318.74,1621.26 ; R38.1@3510,2163.46 3615.28,2163.46 U18.13@3618.74,2160
  Bottom Layer w10: U18.4@2048.25,2137.83 cw(c2040.41,2121.26) 2058.74,2121.26 ; U18.4@2048.25,2182.17 ccw(c2040.41,2198.74) 2058.74,2198.74 ; U18.4@2069.23,2137.83 ccw(c2077.07,2121.26) 2058.74,2121.26 ; U18.4@2069.23,2182.17 cw(c2077.07,2198.74) 2058.74,2198.74 ; v1@2303.44,1265.3 ccw(c2290.63,1278.11) 2308.74,1278.11 ccw(c2326.85,1278.11) v1@2314.04,1265.3 ; v1@2303.44,1635.3 ccw(c2290.63,1648.11) 2308.74,1648.11 ccw(c2326.85,1648.11) v1@2314.04,1635.3 ; v1(2308.74,1260) 2308.74,1468.74 v1@2320,1480 ; 2308.74,1437.75 cw(c2360.99,1437.75) v1@2324.04,1474.7 ; 2308.74,1461.89 cw(c2336.85,1461.89) v1@2316.97,1481.77 ; v1(2308.74,1630) 2308.74,2001.26 2200,2110 2070,2110 2058.74,2121.26 ; U18.13@3607.02,2181.55 ccw(c3596.3,2201.26) 3618.74,2201.26 ; U18.13@3618.74,2160 3618.74,2201.26 ; U18.13@3630.46,2181.55 cw(c3641.18,2201.26) 3618.74,2201.26 ; 2058.74,2121.26 U18.4@2058.74,2160 2058.74,2198.74 ; 2058.74,2198.74 2090,2230 3590,2230 3618.74,2201.26
LED1: R27.1 U10.59 | length 1167.7
  Top Layer w10: U10.59@2610,772.76 2610,470 2695,385 3333.74,385 3368.74,350 R27.1@3368.74,293.46
LED2: R29.1 U10.58 | length 1097.6
  Top Layer w10: U10.58@2590.31,772.76 2590.31,459.68 2680,370 3248.74,370 3278.74,340 R29.1@3278.74,293.46
LED3: R28.1 U10.57 | length 1039.2
  Top Layer w10: U10.57@2570.63,772.76 2570.63,439.37 2655,355 3173.74,355 3188.74,340 R28.1@3188.74,293.46
LED4: R30.1 U10.56 | length 963.2
  Top Layer w10: U10.56@2550.94,772.76 2550.94,429.06 2640,340 3078.74,340 3098.74,320 R30.1@3098.74,293.46
MOSI0: U10.50 U15.3 U17.3 | length 1425.9
  Top Layer w10: U17.3@1495.2,275 1525,275 v1@1570,320 ; 1555.05,305.05 ccw(c1540.09,320) v1@1561.24,320 ; 1558.09,308.09 cw(c1568.74,297.43) v1@1568.74,312.5 ; U15.3@1808.74,414.49 1808.74,468.74 1830,490 2170,490 2391.5,711.5 U10.50@2391.5,833.78 ; 1815.05,475.05 ccw(c1800.09,490) v1@1821.24,490 ; 1818.09,478.09 cw(c1828.74,467.43) v1@1828.74,482.5 ; v1@1834.04,484.7 cw(c1846.85,471.89) 1846.85,490 cw(c1846.85,508.11) v1@1834.04,495.3
  Bottom Layer w10: v1(1568.74,320) 1570,320 1740,490 v1(1828.74,490) ; v1@1568.74,327.5 ccw(c1568.74,348.65) 1583.69,333.69 ; v1@1576.24,320 cw(c1591.31,320) 1580.65,330.65 ; v1@1823.44,484.7 ccw(c1810.63,471.89) 1810.63,490 ccw(c1810.63,508.11) v1@1823.44,495.3
MOSI1: U10.20 U12.3 U14.3 | length 1613.7
  Top Layer w10: U14.3@1565.2,1105 1615,1105 v1@1620,1110 ; U14.3@1588.56,1105 ccw(c1588.56,1140.18) v1@1613.44,1115.3 ; v1@1854.7,1155.3 ccw(c1844.93,1165.07) 1858.74,1165.07 ; 1858.74,1171.15 ccw(c1881.15,1171.15) v1@1865.3,1155.3 ; U12.3@1858.74,1257.75 cw(c1910.99,1257.75) v1@1874.04,1294.7 ; 1858.74,1281.89 cw(c1886.85,1281.89) v1@1866.97,1301.77 ; v1@1860,1160 1858.74,1161.26 U12.3@1858.74,1224.49 1858.74,1288.74 ; v1@1861.44,1298.27 cw(c1851.56,1295.93) 1858.74,1288.74 ; v1@1868.42,1292.51 ccw(c1867.86,1279.62) 1858.74,1288.74 ; v1@1870,1300 1858.74,1288.74 ; v1@2533.44,1305.3 ccw(c2491.17,1347.57) U10.20@2550.94,1347.57 ; v1@2540,1300 2550,1310 ; v1@2540.51,1298.23 ccw(c2515.31,1323.43) 2550.94,1323.43 ; v1@2540.47,1307.3 ccw(c2542.81,1317.18) 2550,1310 ; v1@2546.23,1300.32 cw(c2559.12,1300.88) 2550,1310 ; U10.20@2550.94,1367.24 2550.94,1310 2550,1310
  Bottom Layer w10: v1(1618.74,1110) 1808.74,1110 1848.74,1150 v1(1860,1150) ; v1@1624.04,1104.7 cw(c1636.85,1091.89) 1636.85,1110 cw(c1636.85,1128.11) v1@1624.04,1115.3 ; 1827.97,1129.23 cw(c1860,1097.21) v1@1860,1142.5 ; 1845.05,1146.31 cw(c1860,1131.35) v1@1860,1152.5 ; v1(1868.74,1300) 1878.74,1290 2220,1290 2290,1220 2458.74,1220 v1(2538.74,1300) ; v1@2531.24,1300 cw(c2513.13,1300) 2525.94,1287.2 cw(c2538.74,1274.39) v1@2538.74,1292.5
MUT_FB1: P8.1 U6.5 | length 565.2
  Top Layer w20: P8.1@278.74,1250 408.74,1250 468.74,1190 468.74,1160 488.74,1140 568.74,1140 588.74,1160 588.74,1260 608.74,1280 U6.5@664.25,1280
MUT_IN0: P11.1 U7.6 U15.5 U15.6 U17.6 U17.7 | length 2270.2
  Top Layer w15: v1(808.74,370) 1178.74,370 1186.24,377.5 1446.24,377.5 ; U17.7@1302.28,225 U17.6@1302.28,275 1343.74,275 1446.24,377.5 ; U15.6@1658.74,414.49 1658.74,480 ; U15.5@1708.74,414.49 1708.74,460 1688.74,480 1658.74,480 ; 1446.24,377.5 1548.74,480 1658.74,480
  Top Layer w20: P11.1@278.74,550 488.74,550 558.74,480 628.74,480 653.74,505 U7.6@653.74,586.46
  Bottom Layer w15: v1(528.74,510) 498.74,480 498.74,380 528.74,350 788.74,350 v1(808.74,370)